# Altium PCB XRay PCB.PcbDoc (part 1 of 2)
Units mm, origin at the board's own origin, x right, y up, seen from the top; angles counter-clockwise.
Board outline 209.64 x 101.61 mm, 2 copper layers (Top Layer, Bottom Layer); 224 components, 167 nets, 646 pads, 278 vias.
Unrouted connection lines stored in the file: 112.
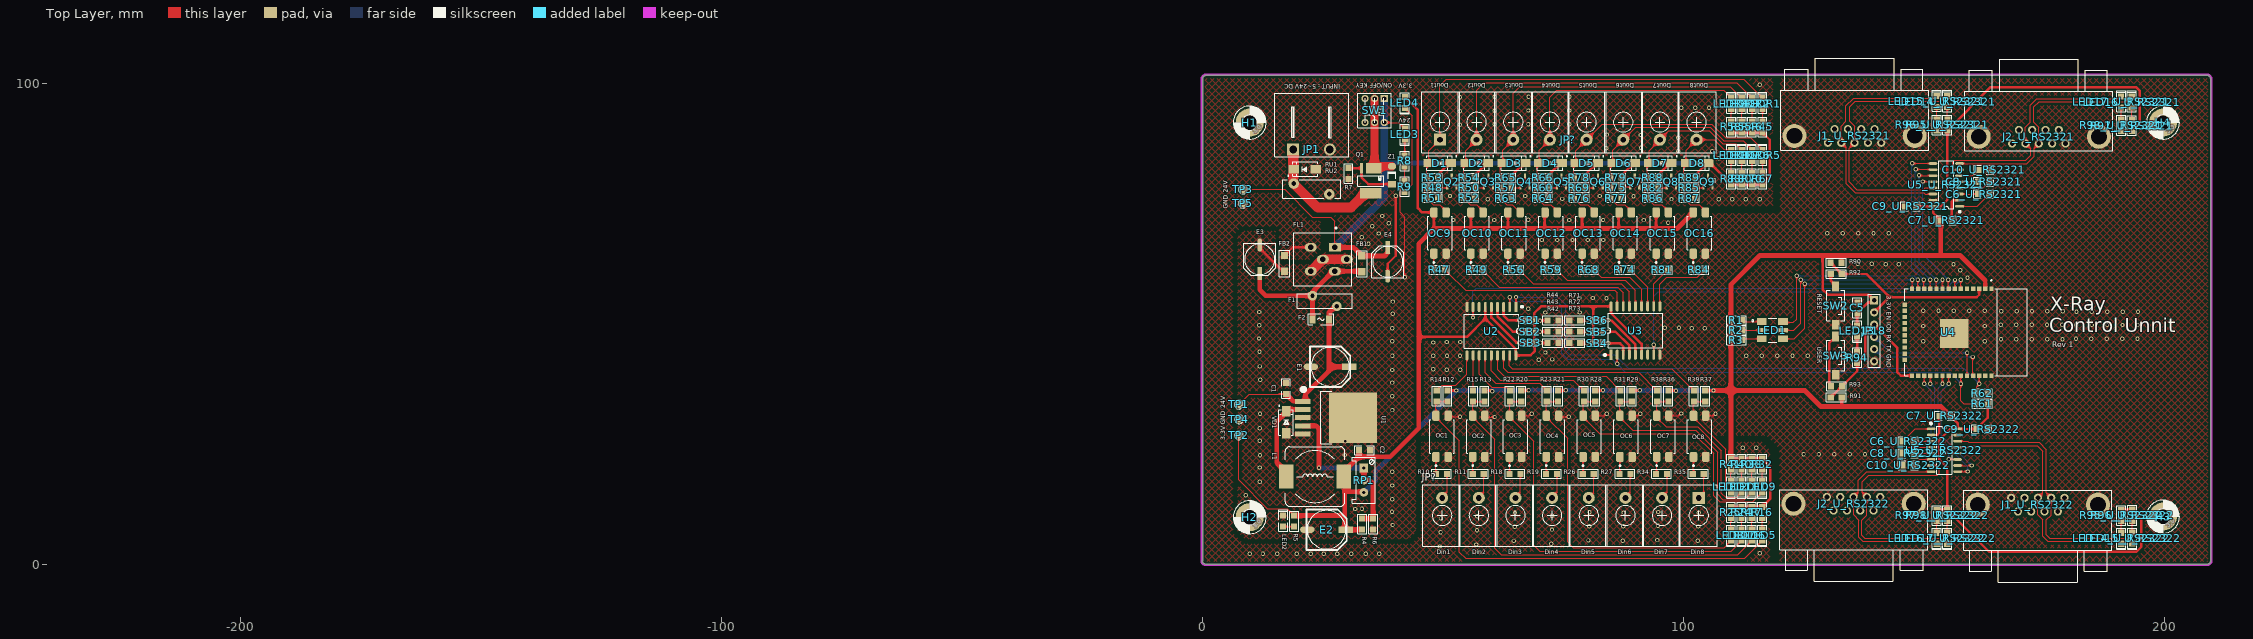
[diagram p0: Top Layer view]
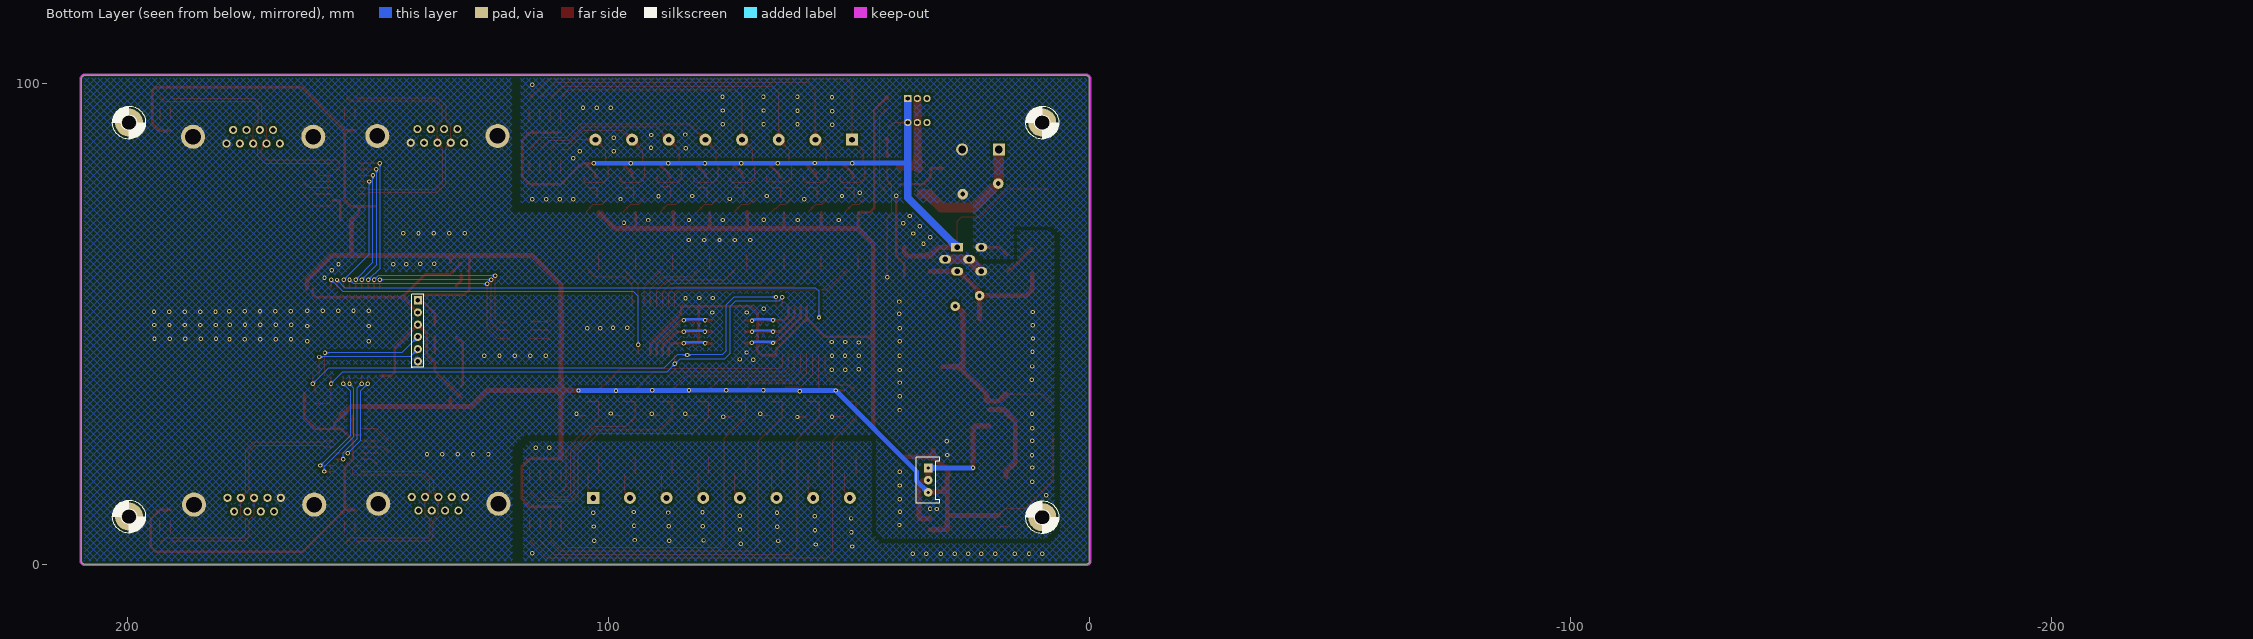
[diagram p1: Bottom Layer view, seen from below]

## Layer stack, top to bottom
Top Solder: solder mask 0.0102, Solder Resist, Dk 3.5
Top Layer: signal copper 0.0356
Dielectric 1: dielectric 0.32, FR-4, Dk 4.8
Bottom Layer: signal copper 0.0356
Bottom Solder: solder mask 0.0102, Solder Resist, Dk 3.5

## Board outline
-0.095,0.809 ccw(c-0.236,0.952) -0.035,0.952 -0.035,101.115 cw(c0.701,101.023) 0.742,101.764 0.791,101.767 208.934,101.767 cw(c208.783,101.04) 209.526,101.04 209.538,100.917 209.538,0.752 209.542,0.71 cw(c208.826,0.907) 208.899,0.168 0.588,0.168 0.522,0.157 cw(c0.643,0.889)

## Design rules (kind name [scope] priority, off if disabled: settings)
Clearance OUT_POLY [InNamedPolygon('GND_F_L02_P009') OR InNamedPolygon('GND_L02_P007')] p1: gap=0.5 ignorepadtopadclearanceinfootprint=FALSE
Clearance Logic_POLY [InNamedPolygon('GND_F_L01_P010') OR InNamedPolygon('GND_L01_P008')] p2: gap=0.5 ignorepadtopadclearanceinfootprint=FALSE
Clearance [All] p3: gap=0.178 ignorepadtopadclearanceinfootprint=FALSE
ComponentClearance "Schematic Component Clearance Constraint_4" [InComponent('TP5')] p1: gap=0 collisioncheckmode=3 verticalgap=0 showdistances=FALSE
ComponentClearance "Schematic Component Clearance Constraint_3" [InComponent('TP1')] p2: gap=0 collisioncheckmode=3 verticalgap=0 showdistances=FALSE
ComponentClearance "Schematic Component Clearance Constraint_2" [InComponent('TP3')] p3: gap=0 collisioncheckmode=3 verticalgap=0 showdistances=FALSE
ComponentClearance "Schematic Component Clearance Constraint_1" [InComponent('TP4')] p4: gap=0 collisioncheckmode=3 verticalgap=0 showdistances=FALSE
ComponentClearance "Schematic Component Clearance Constraint" [InComponent('TP2')] p5: gap=0 collisioncheckmode=3 verticalgap=0 showdistances=FALSE
ComponentClearance [All] p6: gap=0.254 collisioncheckmode=3 verticalgap=0.254 showdistances=FALSE
HoleSize [All] p1: absolutevalues=TRUE maxlimit=4 minlimit=0.025 maxpercent=80.000 minpercent=20.000
PolygonConnect PolygonConnect_2 [All vs IsNamedPolygon('GND_F_L01_P010') Or IsNamedPolygon('GND_L01_P008') Or IsNamedPolygon('GND_F_L02_P009') Or IsNamedPolygon('GND_L02_P007')] p1: connectstyle=Direct reliefconductorwidth=0.254 reliefentries=4 polygonreliefangle="90 Angle" airgapwidth=0.254
PolygonConnect PolygonConnect_1 [All vs IsNamedPolygon('GND_F_BOTTOM')] p2: connectstyle=Direct reliefconductorwidth=0.254 reliefentries=4 polygonreliefangle="90 Angle" airgapwidth=0.254
PolygonConnect [All] p3: connectstyle=Relief reliefconductorwidth=0.254 reliefentries=4 polygonreliefangle="90 Angle" airgapwidth=0.254
RoutingVias [All] p1: holewidth=0.5 width=0.9 viastyle="Through Hole" minholewidth=0.5 minwidth=0.9 maxholewidth=0.5 maxwidth=0.9
SolderMaskExpansion [All] p1: expansion=0.102 istentingtop=FALSE
Width [All] p1: maxlimit=2 minlimit=0.254 preferedwidth=0.5
28 further rules are at their usual default settings.

## Classes and differential pairs
component class Main: LED1 R1 R2 R3
channel class RS232: U_RS2321 U_RS2322
component class U_RS2322: C6_U_RS2322 C7_U_RS2322 C8_U_RS2322 C9_U_RS2322 C10_U_RS2322 J1_U_RS2322 J2_U_RS2322 LED14_U_RS2322 LED15_U_RS2322 LED16_U_RS2322 LED17_U_RS2322 R95_U_RS2322 R96_U_RS2322 R97_U_RS2322 R98_U_RS2322 U5_U_RS2322
component class U_RS2321: C6_U_RS2321 C7_U_RS2321 C8_U_RS2321 C9_U_RS2321 C10_U_RS2321 J1_U_RS2321 J2_U_RS2321 LED14_U_RS2321 LED15_U_RS2321 LED16_U_RS2321 LED17_U_RS2321 R95_U_RS2321 R96_U_RS2321 R97_U_RS2321 R98_U_RS2321 U5_U_RS2321
component class U_ESP32: C5 JP18 LED13 R90 R91 R92 R93 R94 SW2 SW3 U4
component class "U_Power Regulator": C1 C2 E1 E2 E3 E4 F1 F2 FB1 FB2 FL1 JP1 L1 LED2 LED3 LED4 Q1 R4 R5 R6 R7 R8 R9 RP1 RU1 RU2 SW1 TP1 TP2 TP3 TP4 TP5 U1 VD1 Z1
component class "U_Digital Output": D1 D2 D3 D4 D5 D6 D7 D8 JP? LEDR1 LEDR2 LEDR3 LEDR4 LEDR5 LEDR6 LEDR7 LEDR8 OC9 OC10 OC11 OC12 OC13 OC14 OC15 OC16 Q2 Q3 Q4 Q5 Q6 Q7 Q8 Q9 R45 R46 R47 R48 R49 R50 R51 R52 R53 R54 R55 R56 R57 R58 R59 R60 R61 R62 R63 R64 R65 R66 R67 R68 R69 R70 R71 R72 R73 R74 R75 R76 R77 R78 R79 R80 R81 R82 R83 R84 R85 R86 R87 R88 R89 SB4 SB5 SB6 U3
component class "U_Digital Input": JP? LED5 LED6 LED7 LED8 LED9 LED10 LED11 LED12 OC1 OC2 OC3 OC4 OC5 OC6 OC7 OC8 R10 R11 R12 R13 R14 R15 R16 R17 R18 R19 R20 R21 R22 R23 R24 R25 R26 R27 R28 R29 R30 R31 R32 R33 R34 R35 R36 R37 R38 R39 R40 R41 R42 R43 R44 SB1 SB2 SB3 U2

## Components (designator, comment, footprint, x,y, rotation, side; value= is the part's Value field where it differs from the comment)
C1 "1uF" "C 0805" 17.339,36.648 r270 top
C2 "1uF" "C 0805" 33.626,23.821 r180 top
C5 "22uF" "C 0805" 136.093,53.442 r90 top
C6_U_RS2321 "100nF" "C 0805" 162.382,77.089 r0 top (schematic designator C6)
C6_U_RS2322 "100nF" "C 0805" 146.66,25.705 r180 top (schematic designator C6)
C7_U_RS2321 "100nF" "C 0805" 154.559,71.628 r180 top (schematic designator C7)
C7_U_RS2322 "100nF" "C 0805" 154.28,30.988 r0 top (schematic designator C7)
C8_U_RS2321 "100nF" "C 0805" 162.382,79.654 r180 top (schematic designator C8)
C8_U_RS2322 "100nF" "C 0805" 146.66,23.216 r0 top (schematic designator C8)
C9_U_RS2321 "100nF" "C 0805" 147.142,74.524 r180 top (schematic designator C9)
C9_U_RS2322 "100nF" "C 0805" 161.976,28.245 r0 top (schematic designator C9)
C10_U_RS2321 "100nF" "C 0805" 162.382,82.118 r0 top (schematic designator C10)
C10_U_RS2322 "100nF" "C 0805" 146.66,20.701 r180 top (schematic designator C10)
D1 "SS34" SMA 49.301,83.541 r0 top
D2 "SS34" SMA 56.998,83.541 r0 top
D3 "SS34" SMA 64.719,83.541 r0 top
D4 "SS34" SMA 72.288,83.541 r0 top
D5 "SS34" SMA 79.858,83.541 r0 top
D6 "SS34" SMA 87.554,83.541 r0 top
D7 "SS34" SMA 95.098,83.541 r0 top
D8 "SS34" SMA 102.794,83.541 r0 top
E1 "100uF/50V" "CM E(8*10.2)" 26.491,41.176 r0 top
E2 "220uF/35V" "CM E(8*10.2)" 25.752,7.311 r0 top
E3 "10uF" "CM D(6.3*7.7)" 11.862,63.525 r270 top
E4 "22uF" "CM D(6.3*7.7)" 38.456,63.017 r90 top
F1 "PTC" PTC 25.349,54.864 r180 top
F2 "MSMD200-8V 2A" "FU 1206" 24.562,51.054 r180 top
FB1 "?!" "F 1206" 33.096,62.611 r90 top
FB2 "?!" "F 1206" 17.016,62.661 r90 top
FL1 "BNX002-01" FIL_BNX002-01 24.966,63.525 r0 top
H1 "Round Pad" P3.0C 9.779,91.948 r0 top locked
H2 "Round Pad" P3.0C 9.779,9.906 r0 top locked
H3 "Round Pad" P3.0C 199.644,10.033 r0 top locked
H4 "Round Pad" P3.0C 199.644,91.948 r0 top locked
J1_U_RS2321 "DB9" DB9/S_A 135.52,87.762 r0 top (schematic designator J1)
J1_U_RS2322 "DB9" DB9/S_A 173.621,13.94 r180 top (schematic designator J1)
J2_U_RS2321 "DB9" DB9/S_A 173.824,87.584 r0 top (schematic designator J2)
J2_U_RS2322 "DB9" DB9/S_A 135.316,14.118 r180 top (schematic designator J2)
JP1 "HDR-1X2" KF2EDGK-2P_H_7.62 18.814,86.359 r0 top
JP18 "HDR-1X6" HDR-1X6 139.59,55.017 r270 top
JP? "HDR-1X8" KF7620-8P 103.124,10.269 r180 top
JP? "HDR-1X8" KF7620-8P 49.327,92.042 r0 top
L1 "470uH" CDRH127 23.339,18.36 r0 top
LED1 "LED-RGB" "LED 3535" 118.44,48.896 r0 top
LED2 "LED-SMD" "LED 0805R" 16.735,9.089 r90 top
LED3 "LED-SMD" "LED 0805R" 42.035,89.56 r270 top
LED4 "LED-SMD" "LED 0805R" 42.034,96.087 r270 top
LED5 "LED-SMD" "LED 0805B" 116.332,6.171 r270 top
LED6 "LED-SMD" "LED 0805B" 114.148,6.171 r270 top
LED7 "LED-SMD" "LED 0805B" 112.014,6.171 r270 top
LED8 "LED-SMD" "LED 0805B" 109.827,6.171 r270 top
LED9 "LED-SMD" "LED 0805B" 116.332,16.231 r270 top
LED10 "LED-SMD" "LED 0805B" 114.148,16.231 r270 top
LED11 "LED-SMD" "LED 0805B" 112.014,16.231 r270 top
LED12 "LED-SMD" "LED 0805B" 109.827,16.231 r270 top
LED13 "LED-SMD" "LED 0805B" 136.06,48.66 r270 top
LED14_U_RS2321 "LED-SMD" "LED 0805Y" 154.788,96.29 r90 top (schematic designator LED14)
LED14_U_RS2322 "LED-SMD" "LED 0805Y" 190.957,5.536 r270 top (schematic designator LED14)
LED15_U_RS2321 "LED-SMD" "LED 0805Y" 152.603,96.342 r90 top (schematic designator LED15)
LED15_U_RS2322 "LED-SMD" "LED 0805Y" 193.243,5.562 r270 top (schematic designator LED15)
LED16_U_RS2321 "LED-SMD" "LED 0805Y" 193.142,96.214 r90 top (schematic designator LED16)
LED16_U_RS2322 "LED-SMD" "LED 0805Y" 152.603,5.536 r270 top (schematic designator LED16)
LED17_U_RS2321 "LED-SMD" "LED 0805Y" 190.932,96.241 r90 top (schematic designator LED17)
LED17_U_RS2322 "LED-SMD" "LED 0805Y" 154.788,5.536 r270 top (schematic designator LED17)
LEDR1 "LED-SMD" "LED 0805B" 116.383,95.91 r90 top
LEDR2 "LED-SMD" "LED 0805B" 114.198,95.91 r90 top
LEDR3 "LED-SMD" "LED 0805B" 112.065,95.91 r90 top
LEDR4 "LED-SMD" "LED 0805B" 109.878,95.91 r90 top
LEDR5 "LED-SMD" "LED 0805B" 116.383,85.141 r90 top
LEDR6 "LED-SMD" "LED 0805B" 114.198,85.141 r90 top
LEDR7 "LED-SMD" "LED 0805B" 112.065,85.141 r90 top
LEDR8 "LED-SMD" "LED 0805B" 109.878,85.141 r90 top
OC1 "817" PC817-SMD 49.759,26.721 r90 top
OC2 "817" PC817-SMD 57.408,26.721 r90 top
OC3 "817" PC817-SMD 65.057,26.721 r90 top
OC4 "817" PC817-SMD 72.706,26.721 r90 top
OC5 "817" PC817-SMD 80.355,26.721 r90 top
OC6 "817" PC817-SMD 88.004,26.721 r90 top
OC7 "817" PC817-SMD 95.653,26.721 r90 top
OC8 "817" PC817-SMD 103.302,26.721 r90 top
OC9 "817" PC817-SMD 49.327,68.986 r90 top
OC10 "817" PC817-SMD 57.03,68.986 r90 top
OC11 "817" PC817-SMD 64.734,68.986 r90 top
OC12 "817" PC817-SMD 72.437,68.986 r90 top
OC13 "817" PC817-SMD 80.141,68.986 r90 top
OC14 "817" PC817-SMD 87.844,68.986 r90 top
OC15 "817" PC817-SMD 95.548,68.986 r90 top
OC16 "817" PC817-SMD 103.251,68.986 r90 top
Q1 "FDS4435BZ" SOP8-E3 34.923,79.857 r180 top
Q2 "2N7002-K" SOT23-3L 51.791,79.705 r0 top
Q3 "2N7002-K" SOT23-3L 59.396,79.705 r0 top
Q4 "2N7002-K" SOT23-3L 67.002,79.705 r0 top
Q5 "2N7002-K" SOT23-3L 74.607,79.705 r0 top
Q6 "2N7002-K" SOT23-3L 82.213,79.705 r0 top
Q7 "2N7002-K" SOT23-3L 89.818,79.705 r0 top
Q8 "2N7002-K" SOT23-3L 97.424,79.705 r0 top
Q9 "2N7002-K" SOT23-3L 105.029,79.705 r0 top
R1 "1K" "R 0805" 110.947,50.852 r0 top
R2 "1K" "R 0805" 110.947,48.769 r0 top
R3 "1K" "R 0805" 110.947,46.712 r0 top
R4 "5.3K" "R 0805" 33.147,8.509 r270 top
R5 "1K" "R 0805" 19.021,9.089 r90 top
R6 "3.3K" "R 0805" 35.433,8.484 r90 top
R7 "1K" "R 0805" 30.325,81.355 r90 top
R8 "10K" "R 0805" 41.984,83.971 r270 top
R9 "1K" "R 0805" 41.984,78.638 r90 top
R10 "10K" "R 0805" 49.657,18.923 r0 top
R11 "10K" "R 0805" 57.281,18.923 r0 top
R12 "10K" "R 0805" 50.899,35.102 r270 top
R13 "10K" "R 0805" 58.595,35.102 r270 top
R14 "1k" "R 0805" 48.666,35.102 r270 top
R15 "1k" "R 0805" 56.233,35.102 r270 top
R16 "1k" "R 0805" 116.332,10.921 r270 top
R17 "1k" "R 0805" 114.148,10.921 r270 top
R18 "10K" "R 0805" 64.904,18.923 r0 top
R19 "10K" "R 0805" 72.528,18.923 r0 top
R20 "10K" "R 0805" 66.215,35.102 r270 top
R21 "10K" "R 0805" 73.886,35.102 r270 top
R22 "1k" "R 0805" 63.853,35.102 r270 top
R23 "1k" "R 0805" 71.524,35.102 r270 top
R24 "1k" "R 0805" 112.014,10.921 r270 top
R25 "1k" "R 0805" 109.827,10.921 r270 top
R26 "10K" "R 0805" 80.152,18.923 r0 top
R27 "10K" "R 0805" 87.775,18.923 r0 top
R28 "10K" "R 0805" 81.608,35.102 r270 top
R29 "10K" "R 0805" 89.202,35.102 r270 top
R30 "1k" "R 0805" 79.246,35.102 r270 top
R31 "1k" "R 0805" 86.84,35.102 r270 top
R32 "1k" "R 0805" 116.332,20.955 r270 top
R33 "1k" "R 0805" 114.148,20.955 r270 top
R34 "10K" "R 0805" 95.399,18.923 r0 top
R35 "10K" "R 0805" 103.022,18.923 r0 top
R36 "10K" "R 0805" 96.797,35.102 r270 top
R37 "10K" "R 0805" 104.468,35.102 r270 top
R38 "1k" "R 0805" 94.435,35.102 r270 top
R39 "1k" "R 0805" 102.106,35.102 r270 top
R40 "1k" "R 0805" 112.014,20.955 r270 top
R41 "1k" "R 0805" 109.827,20.955 r270 top
R42 "10K" "R 0805" 72.794,46.125 r180 top
R43 "10K" "R 0805" 72.794,48.513 r180 top
R44 "10K" "R 0805" 72.794,50.824 r0 top
R45 "10k" "R 0805" 116.383,91.034 r270 top
R46 "10k" "R 0805" 114.198,91.034 r270 top
R47 "1k" "R 0805" 49.2,61.366 r0 top
R48 "10k" "R 0805" 47.752,78.359 r0 top
R49 "1k" "R 0805" 56.943,61.366 r0 top
R50 "10k" "R 0805" 55.372,78.384 r0 top
R51 "2.2K" "R 0805" 47.752,76.251 r180 top
R52 "2.2K" "R 0805" 55.372,76.276 r180 top
R53 "10k" "R 0805" 47.752,80.493 r180 top
R54 "10k" "R 0805" 55.383,80.493 r180 top
R55 "10k" "R 0805" 112.065,91.034 r270 top
R56 "1k" "R 0805" 64.686,61.366 r0 top
R57 "10k" "R 0805" 63.014,78.359 r0 top
R58 "10k" "R 0805" 109.878,91.034 r270 top
R59 "1k" "R 0805" 72.43,61.366 r0 top
R60 "10k" "R 0805" 70.645,78.359 r0 top
R61 "10K" "R 0805" 162.052,33.503 r180 top
R62 "10K" "R 0805" 162.052,35.687 r180 top
R63 "2.2K" "R 0805" 63.014,76.251 r180 top
R64 "2.2K" "R 0805" 70.645,76.251 r180 top
R65 "10k" "R 0805" 63.014,80.493 r180 top
R66 "10k" "R 0805" 70.645,80.493 r180 top
R67 "10k" "R 0805" 116.383,80.264 r270 top
R68 "1k" "R 0805" 80.213,61.341 r0 top
R69 "10k" "R 0805" 78.275,78.359 r0 top
R70 "10k" "R 0805" 114.198,80.264 r270 top
R71 "10K" "R 0805" 77.341,50.824 r0 top
R72 "10K" "R 0805" 77.341,48.513 r0 top
R73 "10K" "R 0805" 77.34,46.125 r180 top
R74 "1k" "R 0805" 87.706,61.341 r0 top
R75 "10k" "R 0805" 85.906,78.359 r0 top
R76 "2.2K" "R 0805" 78.276,76.251 r180 top
R77 "2.2K" "R 0805" 85.906,76.251 r180 top
R78 "10k" "R 0805" 78.276,80.493 r180 top
R79 "10k" "R 0805" 85.906,80.493 r180 top
R80 "10k" "R 0805" 112.065,80.264 r270 top
R81 "1k" "R 0805" 95.529,61.316 r0 top
R82 "10k" "R 0805" 93.537,78.359 r0 top
R83 "10k" "R 0805" 109.878,80.264 r270 top
R84 "10k" "R 0805" 103.149,61.316 r0 top
R85 "10k" "R 0805" 101.168,78.359 r0 top
R86 "2.2K" "R 0805" 93.537,76.251 r180 top
R87 "2.2K" "R 0805" 101.168,76.251 r180 top
R88 "10k" "R 0805" 93.537,80.493 r180 top
R89 "10k" "R 0805" 101.168,80.493 r180 top
R90 "10K" "R 0805" 131.691,62.815 r0 top
R91 "10K" "R 0805" 131.716,34.824 r0 top
R92 "1K" "R 0805" 131.699,60.479 r0 top
R93 "1K" "R 0805" 131.742,37.136 r0 top
R94 "1K" "R 0805" 136.06,43.099 r270 top
R95_U_RS2321 "2.2K" "R 0805" 154.813,91.465 r90 top (schematic designator R95)
R95_U_RS2322 "2.2K" "R 0805" 190.957,10.286 r270 top (schematic designator R95)
R96_U_RS2321 "2.2K" "R 0805" 152.603,91.465 r90 top (schematic designator R96)
R96_U_RS2322 "2.2K" "R 0805" 193.243,10.312 r270 top (schematic designator R96)
R97_U_RS2321 "2.2K" "R 0805" 193.167,91.338 r90 top (schematic designator R97)
R97_U_RS2322 "2.2K" "R 0805" 152.603,10.286 r270 top (schematic designator R97)
R98_U_RS2321 "2.2K" "R 0805" 190.957,91.389 r90 top (schematic designator R98)
R98_U_RS2322 "2.2K" "R 0805" 154.788,10.286 r270 top (schematic designator R98)
RP1 "10K" 3296W 33.499,17.598 r270 top
RU1 "25v" SMA 21.232,82.27 r180 top
RU2 "*" "Varistor Short Hieght - Straight" 26.621,78.173 r180 top
SB1 "Solder Bridge" "Solder Bridge Open" 67.921,48.576 r180 top
SB2 "Solder Bridge" "Solder Bridge Open" 67.921,46.228 r180 top
SB3 "Solder Bridge" "Solder Bridge Open" 67.972,43.84 r180 top
SB4 "Solder Bridge" "Solder Bridge Open" 82.217,48.361 r0 top
SB5 "Solder Bridge" "Solder Bridge Open" 82.217,50.748 r0 top
SB6 "Solder Bridge" "Solder Bridge Open" 82.217,53.096 r0 top
SW1 "KET 7X7" "KFT DIP-7X7" 35.738,94.463 r270 top
SW2 "3x6x5" "TSW SMD-3*6*2.5" 131.592,53.865 r270 top
SW3 "3x6x5" "TSW SMD-3*6*2.5" 131.592,43.486 r270 top
TP1 "Test Point Pad" TP15 7.516,33.349 r90 top
TP2 "Test Point Pad" TP15 7.516,26.949 r90 top
TP3 "Test Point Pad" TP15 8.354,78.053 r90 top
TP4 "Test Point Pad" TP15 7.541,30.301 r90 top
TP5 "Test Point Pad" TP15 8.354,75.132 r90 top
U1 "LM2596-ADJ" TO263-5A 20.799,30.601 r270 top
U2 "MCP23008" SOP18W_M 60.018,48.589 r270 top
U3 "MCP23008" SOP18W_M 89.964,48.716 r90 top
U4 "ESP32S" ESP32S 145.933,79.683 r270 top
U5_U_RS2321 "MAX232" SOP16_N 154.584,78.994 r180 top (schematic designator U5)
U5_U_RS2322 "MAX232" SOP16_N 154.178,23.825 r0 top (schematic designator U5)
VD1 "SS34" SMA 17.339,29.663 r90 top
Z1 "1N4106" DO-213AA 39.342,81 r90 top

## Footprints (in the part's own frame and the unit in brackets; to place one, negate y for a bottom-side part, rotate by r counter-clockwise, add the part's x,y. Pads: shape width x height; smd on the part's side, far side on the other; paste and mask are expansions set on the pad)
3296W [mm] "Precise Multi-Winding Adjustable Resistor"
  rect 1.8x1.8 hole 0.7: 1(-2.54,0)
  round 1.8 hole 0.7: 2(2.54,0) ADJ(0,0)
  silkscreen extent -4.8,-2.4 4.8,2.4, body extent -4.75,-2.4 4.75,2.4, height 11.52
"C 0805" [mil] "ï؟½ق¼ï؟½ï؟½ï؟½ï؟½ï؟½ئ¬ï؟½ï؟½ï؟½ï؟½"
  rect 50x50 smd: 1(-45,0) 2(45,0)
  silkscreen extent -81,-36 81,36, body extent -39,-24 39,24, height 20
CDRH127 [mm] "12*12*8mmï؟½ï؟½ï؟½ï؟½ï؟½ï؟½ك£ï؟½"
  rect 3x5 smd: 1(-6,0) 2(6,0)
  silkscreen extent -6.2,-6.2 6.2,6.2, body extent -6,-6 6,6, height 7.8
"CM D(6.3*7.7)" [mm] "ï¿½ï¿½Æ¬ï¿½ï¿½ï¿½ï¿½ï¿½Ý£ï¿½Ö±ï¿½ï¿½6.3mmï¿½ï"
  rect 2.7x1 smd: 1(3,0)
  oval 2.7x1 smd: 2(-3,0)
  silkscreen extent -3.3,-3.3 3.3,3.3, body extent -3.5,-3.3 3.5,3.3, height 7.7
"CM E(8*10.2)" [mm] "ï؟½ï؟½ئ¬ï؟½ï؟½ï؟½ï؟½ï؟½ف£ï؟½ض±ï؟½ï؟½8mmï؟½ï؟½"
  rect 3x1.3 smd: 1(4,0)
  oval 3x1.3 smd: 2(-4,0)
  silkscreen extent -4.2,-4.2 4.2,4.2, body extent -4.5,-4.15 4.5,4.15, height 10.2
DB9/S_A [mm] "9ï¿½ï¿½Ä¸Í·ï¿½ï¿½ï¿½ï¿½,31*18.5*12.5mm"
  round 1.7 hole 1: 1(-5.546,0) 2(-2.773,0) 3(0,0) 4(2.773,0) 5(5.546,0) 6(-4.155,2.84) 7(-1.385,2.84) 8(1.385,2.84) 9(4.155,2.84)
  round 5 hole 3.25: 10(-12.5,1.42) 11(12.5,1.42)
  silkscreen extent -15.4,-1.52 15.4,17.53, body extent -15.45,-1.25 15.45,17.25, height 12.65
DO-213AA [mm] "1.5*3.5mm(ض±¾¶£¬½إ¾à£©"
  rect 1.37x1.62 smd: 1(-1.855,0)
  oct 1.37x1.62 smd: 2(1.855,0)
  silkscreen extent -0.76,-0.8 0.78,0.8, body extent -1.75,-0.75 1.75,0.75, height 1.53
ESP32S [mm] "ESP32S-Module"
  rect 0.9x0.9 smd: 1(22.301,18.034) 2(22.301,16.764) 3(22.301,15.494) 4(22.301,14.224) 5(22.301,12.954) 6(22.301,11.684) 7(22.301,10.414) 8(22.301,9.144) 9(22.301,7.874) 10(22.301,6.604) 11(22.301,5.334) 12(22.301,4.064) 13(22.301,2.794) 14(22.301,1.524) 15(25.601,0.034) 16(26.871,0.034) 17(28.141,0.034) 18(29.411,0.034) 19(30.681,0.034) 20(31.951,0.034) 21(33.221,0.034) 22(34.491,0.034) 23(35.761,0.034) 24(37.031,0.034) 25(40.335,1.524) 26(40.335,2.794) 27(40.335,4.064) 28(40.335,5.334) 29(40.335,6.604) 30(40.335,7.874) 31(40.335,9.144) 32(40.335,10.414) 33(40.335,11.684) 34(40.335,12.954) 35(40.335,14.224) 36(40.335,15.494) 37(40.335,16.764) 38(40.335,18.034)
  rect 6x6 smd: 39(31.601,10.3)
  silkscreen extent 20.44,0.03 40.32,25.53, body extent 22.31,0.02 40.31,25.52, height 2.84
"F 1206" [mil]
  rect 60x60 smd: 1(-65,0) 2(65,0)
  silkscreen extent -107,-42 107,42, body extent -63,-31 63,32, height 22
FIL_BNX002-01 [mm]
  rect 2.5x1.8 hole 1.2: 1(2.5,2.5)
  oval 2.5x1.8 hole 1.2: 2(2.5,-2.5) 3(-2.5,2.5) 4(5,0) 5(-2.5,-2.5) 6(0,0)
  silkscreen extent -6,-5.5 6,6.65, body extent -6,-5.5 6,5.5, height 8.6
"FU 1206" [mil] "ÌùÆ¬±£ÏÕË¿"
  rect 50x65 smd: 1(-67.5,0) 2(67.5,0)
  silkscreen extent -105,-45 105,45, body extent -63,-32 63,32, height 34
HDR-1X6 [mm] "ï؟½ï؟½ï؟½ë£¬6ï؟½ï؟½"
  rect 1.7x1.7 hole 0.9: 1(0,0)
  round 1.7 hole 0.9: 2(2.54,0) 3(5.08,0) 4(7.62,0) 5(10.16,0) 6(12.7,0)
  silkscreen extent -1.27,-1.27 13.97,1.27, body extent -1.27,-1.27 13.97,1.27, height 8.5
KF2EDGK-2P_H_7.62 [mm] "ï؟½ï؟½ا²ï؟½ï؟½ت½ï؟½ï؟½ï؟½ï؟½"
  rect 2.5x2.5 hole 1.6: 1(0,0)
  round 2.5 hole 1.6: 2(7.625,0)
  silkscreen extent -3.8,-1.52 11.58,11.7, body extent -3.78,-0.61 11.47,11.59, height 8.04
KF7620-8P [mm] "61*12*12mm(ï¿½ï¿½ï¿½ï¿½ï¿½)"
  rect 2.5x2.5 hole 1.2: 1(0,-3.65)
  round 2.5 hole 1.2: 2(7.62,-3.65) 3(15.24,-3.65) 4(22.86,-3.65) 5(30.48,-3.65) 6(38.1,-3.65) 7(45.72,-3.65) 8(53.34,-3.65)
  silkscreen extent -3.81,-6.35 57.4,6.35, body extent -3.81,-6.2 57.85,6.2, height 12.45
"KFT DIP-7X7" [mm] "7*7mmï¿½ï¿½ï¿½ï¿½"
  rect 1.5x1.5 hole 0.9: 1(-2.5,2)
  round 1.5 hole 0.9: 2(-2.5,0) 3(-2.5,-2) 4(2.5,-2) 5(2.5,0) 6(2.5,2)
  silkscreen extent -3.58,-3.51 3.56,3.42, body extent -3.5,-3.5 3.5,3.5, height 11.2
"LED 0805B" [mil] "ï؟½ï؟½ة«0805LED"
  rect 50x50 smd: 1(-45,0) 2(45,0)
  silkscreen extent -81,-36 92,36, body extent -39,-25 39,25, height 32
"LED 0805R" [mil] "ï؟½ï؟½ة«0805LED"
  rect 50x50 smd: 1(-45,0) 2(45,0)
  silkscreen extent -81,-36 92,36, body extent -39,-25 39,25, height 32
"LED 0805Y" [mm] "ï¿½ï¿½É«0805LED"
  rect 1.27x1.27 smd: 1(-1.143,0) 2(1.143,0)
  silkscreen extent -2.06,-0.91 2.34,0.91, body extent -1,-0.63 1,0.63, height 0.8
"LED 3535" [mm]
  rect 2x1.4 smd: 1(-2.2,1.698) 3(-2.2,-1.902) 4(2.2,-1.902) 6(2.2,1.698)
  rect 2x1 smd: 2(-2.2,-0.102) 5(2.2,-0.102)
  silkscreen extent -4.31,-2.6 0.85,2.4, body extent -2.7,-2.6 2.7,2.4, height 1.6
P3.0C [mil] "MOUNTING PAD 3.0 mm, round, 5.8 mm Diameter"
  round 230 hole 118.11: P(0,0)
  silkscreen extent -135,-135 135,135
PC817-SMD [mm]
  rrect50% 2.13x1.57 smd: 1(-4.29,1.27) 2(-4.29,-1.27) 3(4.29,-1.27) 4(4.29,1.27)
  silkscreen extent -6.25,-2.54 3.5,2.54, body extent -4.87,-2.29 4.87,2.29, height 4
PTC [mm]
  round 2 hole 0.889: 1(-2.54,1.1) 2(2.54,-1.1)
  silkscreen extent -5.7,-1.5 5.7,1.5, body extent -5.71,-1.52 5.72,1.52, height 18.86
"R 0805" [mm] "1/8Wï¿½ï¿½Æ¬ï¿½ï¿½ï¿½ï¿½"
  rect 1.27x1.27 smd: 1(-1.143,0) 2(1.143,0)
  silkscreen extent -2.05,-0.91 2.05,0.91, body extent -1,-0.62 1,0.63, height 0.5
SMA [mm] "4.5x2.6*2.2mm£¨³¤؟ي¸ك£¬²»°üہ¨ز‎½إ£©"
  rect 2.2x1.75 smd: 1(-2.3,0) 2(2.3,0)
  silkscreen extent -2.7,-1.52 3.56,1.52, body extent -2.53,-1.3 2.58,1.3, height 2.15
"Solder Bridge Open" [mil]
  rect 30x40 smd: 1(-40.15,-90.01) 2(23.85,-90.01)
  Top Layer region: -25.15,-70.01 -4.85,-89.99 -25.15,-110.01
  Top Layer region: -13.15,-70.01 7.42,-90.01 -13.15,-110.01 11.2,-110.01 11.2,-70.01
  silkscreen extent -62,-117 47,-62
SOP8-E3 [mm]
  rect 3.15x2.2 smd mask+0: 1-3(-0.635,-2.6)
  rect 0.6x2.2 smd: 4(1.905,-2.6)
  rect 4.4x2.2 smd mask+0: 5-8(0,2.6)
  silkscreen extent -2.67,-1.07 2.67,1.14, body extent -2.46,-3.07 2.54,2.93, height 1.9
SOP16_N [mm] "10.3*6.2*1.8mm£¨³¤¿í¸ß£©"
  oval 1.8x0.55 smd: 1(-2.75,4.445) 2(-2.75,3.175) 3(-2.75,1.905) 4(-2.75,0.635) 5(-2.75,-0.635) 6(-2.75,-1.905) 7(-2.75,-3.175) 8(-2.75,-4.445) 9(2.75,-4.445) 10(2.75,-3.175) 11(2.75,-1.905) 12(2.75,-0.635) 13(2.75,0.635) 14(2.75,1.905) 15(2.75,3.175) 16(2.75,4.445)
  silkscreen extent -2.95,-5 1.52,5.74, body extent -3,-5 3,5, height 1.9
SOP18W_M [mm] "11.5*10.3*2.6mm£¨³¤؟ي¸ك£©"
  rect 2.1x0.6 smd: 1(-5.025,5.08)
  oval 2.1x0.6 smd: 2(-5.025,3.81) 3(-5.025,2.54) 4(-5.025,1.27) 5(-5.025,0) 6(-5.025,-1.27) 7(-5.025,-2.54) 8(-5.025,-3.81) 9(-5.025,-5.08) 10(5.025,-5.08) 11(5.025,-3.81) 12(5.025,-2.54) 13(5.025,-1.27) 14(5.025,0) 15(5.025,1.27) 16(5.025,2.54) 17(5.025,3.81) 18(5.025,5.08)
  silkscreen extent -5.23,-5.64 3.56,6.5, body extent -5.15,-5.75 5.15,5.75, height 2.7
SOT23-3L [mm] "3x1.3x1mm(ï؟½ï؟½ï؟½ï؟½ï؟½)"
  rect 0.45x1 smd: 1(-0.95,-1.143) 2(0.95,-1.143) 3(0,1.125)
  silkscreen extent -1.5,-0.3 1.5,0.7, body extent -1.5,-1.2 1.5,1.2, height 1.05
TO263-5A [mm] "263ï؟½ï؟½5ï؟½إ¾ï؟½ï؟½ï؟½ï؟½"
  rect 1.05x3.2 smd: 1(-3.4,0) 2(-1.7,0) 3(0,0) 4(1.7,0) 5(3.4,0)
  rect 10.45x10 smd: 3(0,10.414)
  silkscreen extent -6.24,-0.25 5.46,6.04, body extent -5,-0.01 5,13.32, height 4.5
TP15 [mm] "Round SMD Test Pin; 1.5 mm"
  round 1.5 smd: 1(0,0)
  silkscreen extent -0.95,-0.95 0.95,0.95
"TSW SMD-3*6*2.5" [mm] "3*6*2.5mm"
  rect 2x1.5 smd: 1(-3.996,-0.02) 2(3.937,0)
  silkscreen extent -3.21,-1.9 3.09,1.9, body extent -4,-1.88 4,1.62, height 2.59
"Varistor Short Hieght - Straight" [mm] "B57237"
  round 2.2 hole 1: 1(0.3,1.1) 2(7.7,-1.1)
  silkscreen extent -2.1,-1.9 10,2, body extent -2,-1.9 10,1.9, height 13

## Part data
C1 C2 C5 C6_U_RS2321 C6_U_RS2322 C7_U_RS2321 C7_U_RS2322 C8_U_RS2321 C8_U_RS2322 C9_U_RS2321 C9_U_RS2322 C10_U_RS2321 C10_U_RS2322: library part C, "Non-polar patch capacitor", BOM名称=无极性贴片电容, 学习资源=www.ooocke.com, 版权归属=源创客
D1 D2 D3 D4 D5 D6 D7 D8: library part M7, "Rectifier diode", BOM名称=整流二极管, 学习资源=www.ooocke.com, 版权归属=源创客
E1 E2 E3 E4: library part C-CM, "Chip electrolytic capacitor", BOM名称=贴片电解电容, 学习资源=www.ooocke.com, 版权归属=源创客
F2: library part FU, "Chip fuse", BOM名称=贴片保险丝, 学习资源=www.ooocke.com, 版权归属=源创客
FB1 FB2: library part FB, "Ferrite Bead", BOM名称=贴片电阻, 学习资源=www.ooocke.com, 版权归属=源创客
FL1: "LC EMI Filter 5th Order Low Pass 2 Channel 10A Block, 4 Lead", Package="Block-4 Murata", Availability=Unavailable, MF=Murata, MP=BNX002-01, Price=None, SnapEDA_Link=https://www.snapeda.com/parts/BNX002-01/Murata%20Electronics%20North%20America/view-part/12269/?ref=snap
H1 H2 H3 H4: library part MOUNT-PAD-ROUND, "MOUNTING PAD, round"
J1_U_RS2321 J1_U_RS2322 J2_U_RS2321 J2_U_RS2322: "9-pin serial port", BOM名称=9针串口, 学习资源=www.ooocke.com, 版权归属=源创客
JP1: library part "Header 2", "2P Connector", BOM名称=2P接插件, 学习资源=www.ooocke.com, 版权归属=源创客
JP18: library part "Header 6", "6P Connector", BOM名称=6P接插件, 学习资源=www.ooocke.com, 版权归属=源创客
JP? JP?: library part "Header 8", "8P Connector", BOM名称=8P接插件, 学习资源=www.ooocke.com, 版权归属=源创客
L1: library part L-CDRH, "Power shielded inductor", BOM名称=功率屏蔽电感, 学习资源=www.ooocke.com, 版权归属=源创客
LED1: "Three primary color LED", BOM名称=三基色LED, 学习资源=www.ooocke.com, 版权归属=源创客
LED2 LED3 LED4 LED5 LED6 LED7 LED8 LED9 LED10 LED11 LED12 LED13 LED14_U_RS2321 LED14_U_RS2322 LED15_U_RS2321 LED15_U_RS2322 LED16_U_RS2321 LED16_U_RS2322 LED17_U_RS2321 LED17_U_RS2322 LEDR1 LEDR2 LEDR3 LEDR4 LEDR5 LEDR6 LEDR7 LEDR8: "Patch LED", BOM名称=贴片LED, 学习资源=www.ooocke.com, 版权归属=源创客
OC1 OC2 OC3 OC4 OC5 OC6 OC7 OC8 OC9 OC10 OC11 OC12 OC13 OC14 OC15 OC16: "AC Input Photocoupler", BOM名称=线性光耦, 学习资源=www.ooocke.com, 版权归属=源创客
Q2 Q3 Q4 Q5 Q6 Q7 Q8 Q9: library part 2N7002-SMD, "N-Channel Enhancement Mode Field Effect Transistor"
R1 R2 R3 R4 R5 R6 R7 R8 R9 R10 R11 R12 R13 R14 R15 R16 R17 R18 R19 R20 R21 R22 R23 R24 R25 R26 R27 R28 R29 R30 R31 R32 R33 R34 R35 R36 R37 R38 R39 R40 R41 R42 R43 R44 R45 R46 R47 R48 R49 R50 R51 R52 R53 R54 R55 R56 R57 R58 R59 R60 R61 R62 R63 R64 R65 R66 R67 R68 R69 R70 R71 R72 R73 R74 R75 R76 R77 R78 R79 R80 R81 R82 R83 R84 R85 R86 R87 R88 R89 R90 R91 R92 R93 R94 R95_U_RS2321 R95_U_RS2322 R96_U_RS2321 R96_U_RS2322 R97_U_RS2321 R97_U_RS2322 R98_U_RS2321 R98_U_RS2322: library part R, "Chip resistor", BOM名称="Chip resistor", 学习资源=www.ooocke.com, 版权归属=源创客
RP1: library part RP-THD, "Plug-in potentiometer", BOM名称=插件电位器, 学习资源=www.ooocke.com, 版权归属=源创客
RU1 RU2: library part V, "Versiror"
SW1: "7*7 switch", BOM名称=7*7开关, 学习资源=www.ooocke.com, 版权归属=源创客
SW2 SW3: library part "TSW 3x6", "3x6 tact switch", BOM名称=3x6轻触开关, 学习资源=www.ooocke.com, 版权归属=源创客
U1: library part LM2596, "DC step-down chip", BOM名称=DC稳压芯片, 学习资源=www.ooocke.com, 版权归属=源创客
U2 U3: "8 Bit I/O Expander"
U4: Package="Module Espressif Systems", Availability=Unavailable, MF="Espressif Systems", MP=ESP32-WROOM-32D, Price=None, SnapEDA_Link=https://www.snapeda.com/parts/ESP32-WROOM-32D/Espressif%20Systems/view-part/?ref=snap
U5_U_RS2321 U5_U_RS2322: "RS432 to USB", BOM名称=MAX232, 学习资源=www.ooocke.com, 版权归属=源创客
VD1: "Schottky diodes", BOM名称=肖特基二极管, 学习资源=www.ooocke.com, 属性=40V/3A, 版权归属=源创客
Z1: "12V/0.5W voltage regulator", BOM名称=12V/0.5W稳压管, 学习资源=www.ooocke.com, 版权归属=源创客
TP1 TP2 TP3 TP4 TP5: Category=MISC, Company="SJ Libraries", ComponentLink1Description=Datasheet, Designer="Eng. Saeid Jorablo", HelpURL=http://s3.picofile.com/file/7443264187/Coming_Soon_logo.gif, Mounting Technology="Surface Mount\Through-Hole", Pin Count=0, Rule="Component Clearance Constraint [Horizontal Clearance = 0mil    Vertical Clearance = 0mil]", Update Date=6/3/2012

## Via types
v1: diameter 0.9, hole 0.5, Top Layer to Bottom Layer, tented both sides, 278 vias

## Nets (pads, with @x,y where several pads share a name; then routed paths per layer and width w, separated by ;. In a path a pad name is that pad's centre, name@x,y a point inside that pad or via, vN(x,y) a via of type N, cw(c..) or ccw(c..) an arc to the next point about the centre after c; other vN are vias at no path point)
24V: D1.2 D2.2 D3.2 D4.2 D5.2 D6.2 D7.2 D8.2 E4.1 FB1.2 FL1.1 LED3.1 R45.2 R46.2 R53.1 R54.1 R55.2 R58.2 R65.1 R66.1 R67.2 R70.2 R78.1 R79.1 R80.2 R83.2 R88.1 R89.1 SW1.1 SW1.6 TP3.1 | length 228.1
  Top Layer w0.254: TP3.1@8.354,78.053 17.019,78.053 22.766,72.306 26.576,72.306 27.466,71.416 FL1.1@27.466,66.025 ; SW1.6@37.738,91.963 40.774,91.963 LED3.1@42.035,90.703
  Top Layer w0.5: R53.1@48.895,80.493 49.23,80.828 49.23,81.488 50.658,82.916 50.976,82.916 D1.2@51.576,83.515 ; v1(49.276,83.515) D1.2@51.576,83.515 ; D1.2@51.601,83.541 D1.2@51.576,83.515 ; R54.1@56.526,80.493 56.911,80.878 56.911,81.379 D2.2@59.073,83.541 ; v1(57.048,83.541) D2.2@59.073,83.541 ; D2.2@59.298,83.541 D2.2@59.073,83.541 ; R65.1@64.157,80.493 64.542,80.878 64.542,81.288 D3.2@66.743,83.49 ; v1(64.77,83.49) D3.2@66.743,83.49 ; D3.2@67.019,83.541 66.968,83.49 D3.2@66.743,83.49 ; R66.1@71.788,80.493 72.173,80.878 72.173,81.35 D4.2@74.313,83.49 ; v1(72.365,83.49) D4.2@74.313,83.49 ; D4.2@74.588,83.541 74.538,83.49 D4.2@74.313,83.49 ; R78.1@79.419,80.493 79.804,80.878 79.804,81.412 D5.2@81.907,83.515 ; v1(79.908,83.515) D5.2@81.907,83.515 ; D5.2@82.158,83.541 82.132,83.515 D5.2@81.907,83.515 ; R79.1@87.05,80.493 87.435,80.878 87.435,81.346 D6.2@89.578,83.49 ; v1(87.554,83.49) D6.2@89.578,83.49 ; D6.2@89.854,83.541 89.803,83.49 D6.2@89.578,83.49 ; R88.1@94.68,80.493 95.065,80.878 95.065,81.433 D7.2@97.147,83.515 ; v1(95.326,83.515) D7.2@97.147,83.515 ; D7.2@97.398,83.541 97.372,83.515 D7.2@97.147,83.515 ; R89.1@102.311,80.493 102.696,80.878 102.696,81.368 D8.2@104.818,83.49 ; v1(102.997,83.49) D8.2@104.818,83.49 ; R58.2@109.878,89.891 R55.2@112.065,89.891 R46.2@114.198,89.891 R45.2@116.383,89.891 117.881,88.392 117.881,80.62 R67.2@116.383,79.121 R70.2@114.198,79.121 R80.2@112.065,79.121 R83.2@109.878,79.121 106.083,82.916 105.719,82.916 D8.2@105.094,83.541 105.043,83.49 D8.2@104.818,83.49
  Top Layer w1: FL1.1@27.466,66.007 31.351,66.007 FB1.2@33.096,64.262 33.122,64.237 37.821,64.237 38.456,64.872 E4.1@38.456,66.017
  Bottom Layer w0.5: 37.738,83.439 37.814,83.515 ; v1(49.276,83.515) v1@49.289,83.502 ; v1@102.984,83.502 v1(102.997,83.49)
  Bottom Layer w1: 37.814,83.515 v1(49.276,83.515) ; v1@49.289,83.502 v1@102.984,83.502
  Bottom Layer w1.5: FL1.1@27.466,66.025 27.816,66.025 27.966,66.175 27.966,66.525 37.738,76.297 37.738,83.439 SW1.6@37.738,91.963 SW1.1@37.738,96.963
24VIN: JP1.1 Q1.5-8 RU1.2 RU2.2 | length 26.4
  Top Layer w2: JP1.1@18.839,86.385 18.839,81.584 18.821,80.274 ccw(c20.821,80.246) 18.822,80.174 18.839,79.704 18.921,79.623 RU2.2@18.921,79.273 23.899,74.294 30.86,74.294 33.723,77.157 34.823,77.157 Q1.5-8@34.923,77.257
24VSwitch: Q1.1-3 SW1.2 SW1.5 Z1.2 | length 18.5
  Top Layer w1.7: Q1.1-3@35.558,82.457 35.738,82.637 SW1.2@35.738,96.963 ; Q1.1-3@35.956,82.855 Z1.2@39.342,82.855
  Top Layer w2: Q1.1-3@35.558,82.457 Q1.1-3@35.956,82.855
Din1: JP?.8@49.784,13.919 R10.2 | length 5.4
  Top Layer w0.254: JP?.8@49.784,13.919 49.784,14.194 50.8,15.21 R10.2@50.8,18.923
Din2: JP?.7@57.404,13.919 R11.2 | length 5.4
  Top Layer w0.254: JP?.7@57.404,13.919 57.404,14.187 58.424,15.206 R11.2@58.424,18.923
Din3: JP?.6@65.024,13.919 R18.2 | length 5.4
  Top Layer w0.254: JP?.6@65.024,13.919 65.024,14.179 66.047,15.203 R18.2@66.047,18.923
Din4: JP?.5@72.644,13.919 R19.2 | length 5.4
  Top Layer w0.254: JP?.5@72.644,13.919 72.644,14.172 73.671,15.199 R19.2@73.671,18.923
Din5: JP?.4@80.264,13.919 R26.2 | length 5.6
  Top Layer w0.254: JP?.4@80.264,13.919 80.539,13.919 80.539,14.229 81.294,14.985 R26.2@81.294,18.923
Din6: JP?.3@87.884,13.919 R27.2 | length 5.4
  Top Layer w0.254: JP?.3@87.884,13.919 87.884,14.158 88.918,15.192 R27.2@88.918,18.923
Din7: JP?.2@95.504,13.919 R34.2 | length 5.4
  Top Layer w0.254: JP?.2@95.504,13.919 95.504,14.15 96.542,15.188 R34.2@96.542,18.923
Din8: JP?.1@103.124,13.919 R35.2 | length 5.4
  Top Layer w0.254: JP?.1@103.124,13.919 104.165,14.961 R35.2@104.165,18.923
EMI_OUT: E3.1 F1.2 F2.2 FB1.1 FL1.2 | length 32.6
  Top Layer w1: E3.1@11.862,60.525 11.862,57.175 13.073,55.964 F1.2@22.809,55.964 ; F2.2@22.847,51.054 22.828,51.073 22.828,55.945 F1.2@22.809,55.964 ; FB1.1@33.096,60.96 33.032,61.025 FL1.2@27.466,61.025 27.116,61.025 22.905,56.814 22.905,56.06 F1.2@22.809,55.964
EN: JP18.2 R90.1 R92.2 U4.3 | length 39.8
  Top Layer w0.5: R90.1@130.548,62.815 130.933,62.43 130.933,62.388 R92.2@132.842,60.479 137.986,60.479 142.789,55.676 ; JP18.2@139.59,52.477 142.789,55.676 ; U4.3@161.427,57.381 161.427,56.171 160.932,55.676 142.789,55.676
GND: E4.2 FB2.2 FL1.3 JP1.2 OC1.2 OC2.2 OC3.2 OC4.2 OC5.2 OC6.2 OC7.2 OC8.2 Q2.2 Q3.2 Q4.2 Q5.2 Q6.2 Q7.2 Q8.2 Q9.2 R7.1 R48.1 R50.1 R57.1 R60.1 R69.1 R75.1 R82.1 R85.1 RU1.1 RU2.1 TP5.1 | length 23.6
  Top Layer w0.5: FB2.2@17.016,64.312 18.728,66.025 FL1.3@22.466,66.025 ; E4.2@38.456,60.017 38.456,62.586 40.132,64.262 v1(40.132,76.733)
  other v1: 9.779,2.337 12.522,2.337 15.494,2.337 19.583,2.337 22.454,2.337 25.197,2.337 27.94,2.337 30.912,2.337 33.909,2.337 36.678,2.337 115.831,2.421 49.301,3.81 56.871,4.242 72.466,4.369 64.694,4.978 102.895,5.004 87.3,5.029 80.188,5.08 94.488,5.156 49.454,6.782 57.023,7.214 72.619,7.341 64.846,7.95 103.048,7.976 87.452,8.001 80.34,8.052 94.64,8.128 49.53,9.652 57.099,10.084 72.695,10.211 64.922,10.82 103.124,10.846 87.528,10.871 80.416,10.922 94.717,10.998 112.25,24.341 115.044,24.367 59.258,76.022 107.315,76.022 110.109,76.022 112.878,76.022 115.799,76.022 97.46,76.048 74.778,76.073 89.56,76.657 51.41,76.683 67.031,76.683 82.575,76.683 47.727,77.343 107.315,84.506 105.943,85.979 98.831,86.004 83.896,86.614 91.11,86.69 98.857,88.773 91.059,89.357 83.972,89.459 53.467,91.465 60.655,91.567 67.716,91.592 76.225,91.592 53.467,94.336 60.655,94.437 67.716,94.463 76.225,94.463 102.387,95.021 105.258,95.021 99.517,95.047 53.492,97.206 60.681,97.307 67.742,97.333 76.251,97.333 115.773,99.822
GND_F: C1.1 C2.1 C5.2 C9_U_RS2321.2 C9_U_RS2322.2 C10_U_RS2321.2 C10_U_RS2322.2 E1.2 E2.2 E3.2 FB2.1 FL1.4 FL1.5 FL1.6 J1_U_RS2321.5 J1_U_RS2321.10 J1_U_RS2321.11 J1_U_RS2322.5 J1_U_RS2322.10 J1_U_RS2322.11 J2_U_RS2321.5 J2_U_RS2321.10 J2_U_RS2321.11 J2_U_RS2322.5 J2_U_RS2322.10 J2_U_RS2322.11 JP18.6 LED2.2 OC1.3 OC2.3 OC3.3 OC4.3 OC5.3 OC6.3 OC7.3 OC8.3 OC9.2 OC10.2 OC11.2 OC12.2 OC13.2 OC14.2 OC15.2 OC16.2 R6.1 R8.2 R9.2 R42.1 R43.1 R44.2 R71.1 R72.1 R73.2 SW2.2 SW3.2 TP4.1 U1.3 U1.5 U2.9 U3.9 U4.1 U4.15 U4.38 U4.39 U5_U_RS2321.15 U5_U_RS2322.15 VD1.1 | length 58
  Top Layer w0.254: R8.2@41.984,82.829 R9.2@41.984,79.78 41.044,78.841 41.044,73.256 41.986,72.314 v1(41.986,59.792) ; OC1.3@51.029,31.011 51.229,30.81 v1(53.492,30.81) ; OC2.3@58.678,31.011 58.954,30.734 v1(60.681,30.734) ; OC3.3@66.327,31.011 67.818,31.011 68.253,31.445 v1(68.428,31.445) ; OC4.3@73.976,31.011 74.227,30.759 v1(76.098,30.759) ; OC5.3@81.625,31.011 83.389,31.011 83.798,31.42 v1(83.972,31.42) ; OC6.3@89.274,31.011 90.44,31.011 90.874,31.445 v1(90.983,31.445) ; OC7.3@96.923,31.011 98.883,31.011 99.342,31.471 v1(99.517,31.471) ; OC8.3@104.572,31.011 106.02,31.011 106.429,31.42 v1(106.604,31.42)
  Top Layer w0.5: E3.2@11.938,65.811 11.938,65.735 12.093,65.58 12.17,65.58 16.227,61.522 16.504,61.522 FB2.1@17.016,61.01
  Top Layer w2: FL1.5@22.466,61.025 FL1.6@24.966,63.525 FL1.4@29.966,63.525
  other v1: 39.472,8.28 39.345,11.024 31.681,11.616 33.104,11.692 39.395,13.614 8.974,14.461 39.395,16.51 11.887,17.247 39.395,19.355 11.836,20.244 11.913,22.809 29.543,22.835 124.917,22.987 128.111,22.987 131.305,22.987 134.499,22.987 137.693,22.987 29.619,25.706 11.887,25.806 11.836,28.423 11.913,31.445 39.446,32.182 39.421,35.027 39.395,37.897 11.938,38.506 39.421,40.513 50.731,40.597 53.551,40.597 47.912,40.673 11.862,41.25 69.832,42.655 72.651,42.705 47.937,43.442 50.782,43.442 53.5,43.442 39.446,43.459 113.03,43.485 116.224,43.485 119.418,43.485 122.612,43.485 125.806,43.485 71.254,44.153 11.811,44.298 47.937,46.236 50.757,46.338 53.551,46.338 39.395,46.457 149.781,46.468 162.558,46.468 165.964,46.888 169.158,46.888 172.352,46.888 175.546,46.888 178.74,46.888 181.559,47.041 184.753,47.041 187.947,47.041 191.141,47.041 194.335,47.041 11.709,47.066 39.395,49.174 101.651,49.174 104.343,49.174 99.009,49.276 96.037,49.301 149.781,49.663 162.558,49.663 11.786,49.809 181.635,49.86 184.829,49.86 188.024,49.86 191.218,49.86 194.412,49.86 165.938,49.886 169.132,49.886 172.326,49.886 175.52,49.886 178.714,49.886 39.497,52.197 71.229,52.459 78.366,52.459 11.786,52.578 181.661,52.654 184.855,52.654 188.049,52.654 191.243,52.654 194.437,52.654 166.014,52.705 169.208,52.705 172.403,52.705 175.597,52.705 178.791,52.705 149.781,52.857 152.975,52.857 156.169,52.857 159.363,52.857 162.558,52.857 67.698,53.246 39.522,54.737 83.954,55.431 78.265,55.482 81.11,55.482 158.986,59.723 157.487,61.247 141.993,62.517 144.711,62.517 156.09,62.517 136.202,62.594 139.116,62.586 34.468,66.726 70.485,67.539 73.679,67.539 76.873,67.539 80.067,67.539 83.261,67.539 33.096,68.123 36.601,68.885 129.87,68.91 133.064,68.91 136.258,68.91 139.452,68.91 142.646,68.91 35.255,70.383 38.659,71.018 96.749,71.145 91.669,71.679 52.121,71.704 60.63,71.704 76.175,71.704 83.236,71.704 67.666,71.73 37.313,72.517
GP0MCPIN: R14.1 U2.10 | length 11.6
  Top Layer w0.254: R14.1@48.666,36.245 49.759,37.338 52.629,37.338 54.938,39.647 U2.10@54.938,43.564
GP0OUT: R47.2 U3.17 | length 40.6
  Top Layer w0.254: R47.2@50.343,61.366 50.851,60.858 54.635,57.074 85.623,57.074 86.154,56.543 U3.17@86.154,53.741
GP1MCPIN: R15.1 U2.11 | length 7.6
  Top Layer w0.254: R15.1@56.233,36.245 U2.11@56.233,43.825
GP1OUT: R49.2 U3.16 | length 34.2
  Top Layer w0.254: R49.2@58.086,61.366 61.693,57.76 86.258,57.76 87.424,56.594 U3.16@87.424,53.741
GP2MCPIN: R22.1 U2.12 | length 12.1
  Top Layer w0.254: U2.12@57.455,43.912 57.455,39.624 60.122,36.957 63.141,36.957 R22.1@63.853,36.245
GP2OUT: R56.2 U3.15 | length 27.8
  Top Layer w0.254: R56.2@65.829,61.366 68.725,58.471 87.02,58.471 88.694,56.797 U3.15@88.694,53.741
GP3MCPIN: R23.1 U2.13 | length 18.3
  Top Layer w0.254: U2.13@58.699,43.883 58.699,39.98 60.96,37.719 70.05,37.719 R23.1@71.524,36.245
GP3OUT: R59.2 U3.14 | length 21.5
  Top Layer w0.254: R59.2@73.573,61.366 75.782,59.157 87.859,59.157 89.964,57.051 U3.14@89.964,53.741
GP4MCPIN: R30.1 U2.14 | length 24.5
  Top Layer w0.254: U2.14@59.995,43.891 59.995,40.31 61.874,38.43 77.06,38.43 R30.1@79.245,36.245
GP4OUT: R68.2 U3.13 | length 15.1
  Top Layer w0.254: R68.2@81.356,61.341 82.905,59.792 88.748,59.792 91.234,57.305 U3.13@91.234,53.741
GP5MCPIN: R31.1 U2.15 | length 30.6
  Top Layer w0.254: U2.15@61.316,43.867 61.316,40.513 62.662,39.167 83.918,39.167 R31.1@86.84,36.245
GP5OUT: R74.2 U3.12 | length 9.1
  Top Layer w0.254: R74.2@88.849,61.341 92.504,57.686 U3.12@92.504,53.741
GP6MCPIN: R38.1 U2.16 | length 36.8
  Top Layer w0.254: U2.16@62.535,43.888 62.535,40.894 63.424,40.005 90.675,40.005 R38.1@94.435,36.245
GP6OUT: R81.2 U3.11 | length 8.8
  Top Layer w0.254: U3.11@93.774,53.741 93.774,58.418 R81.2@96.672,61.316
GP7MCPIN: R39.1 U2.17 | length 42.9
  Top Layer w0.254: U2.17@63.779,43.838 63.779,41.351 64.313,40.818 97.533,40.818 R39.1@102.105,36.245
GP7OUT: R84.2 U3.10 | length 15.1
  Top Layer w0.254: U3.10@95.044,53.741 95.044,58.316 96.52,59.792 102.768,59.792 R84.2@104.292,61.316
I2C2_A0: R71.2 SB6.2 U3.5 | length 17.2
  Top Layer w0.5: R71.2@78.484,50.824 v1(79.881,50.825) ; SB6.2@82.823,50.81 82.843,50.83 84.28,50.83 v1(84.3,50.85) 84.351,50.799 84.961,50.799 89.964,45.795 U3.5@89.964,43.691
  Bottom Layer w0.5: v1@79.55,51.053 79.563,51.066 83.957,51.066 v1@83.97,51.079
I2C2_A1: R72.2 SB5.2 U3.4 | length 14.8
  Top Layer w0.5: R72.2@78.484,48.513 78.509,48.488 79.881,48.488 v1(79.906,48.462) ; SB5.2@82.823,48.462 v1(84.326,48.462) 85.824,48.462 88.694,45.592 U3.4@88.694,43.691
  Bottom Layer w0.5: v1@79.576,48.691 v1@83.995,48.691